# Altium PCB PCB1.PcbDoc (part 1 of 3) (continued)
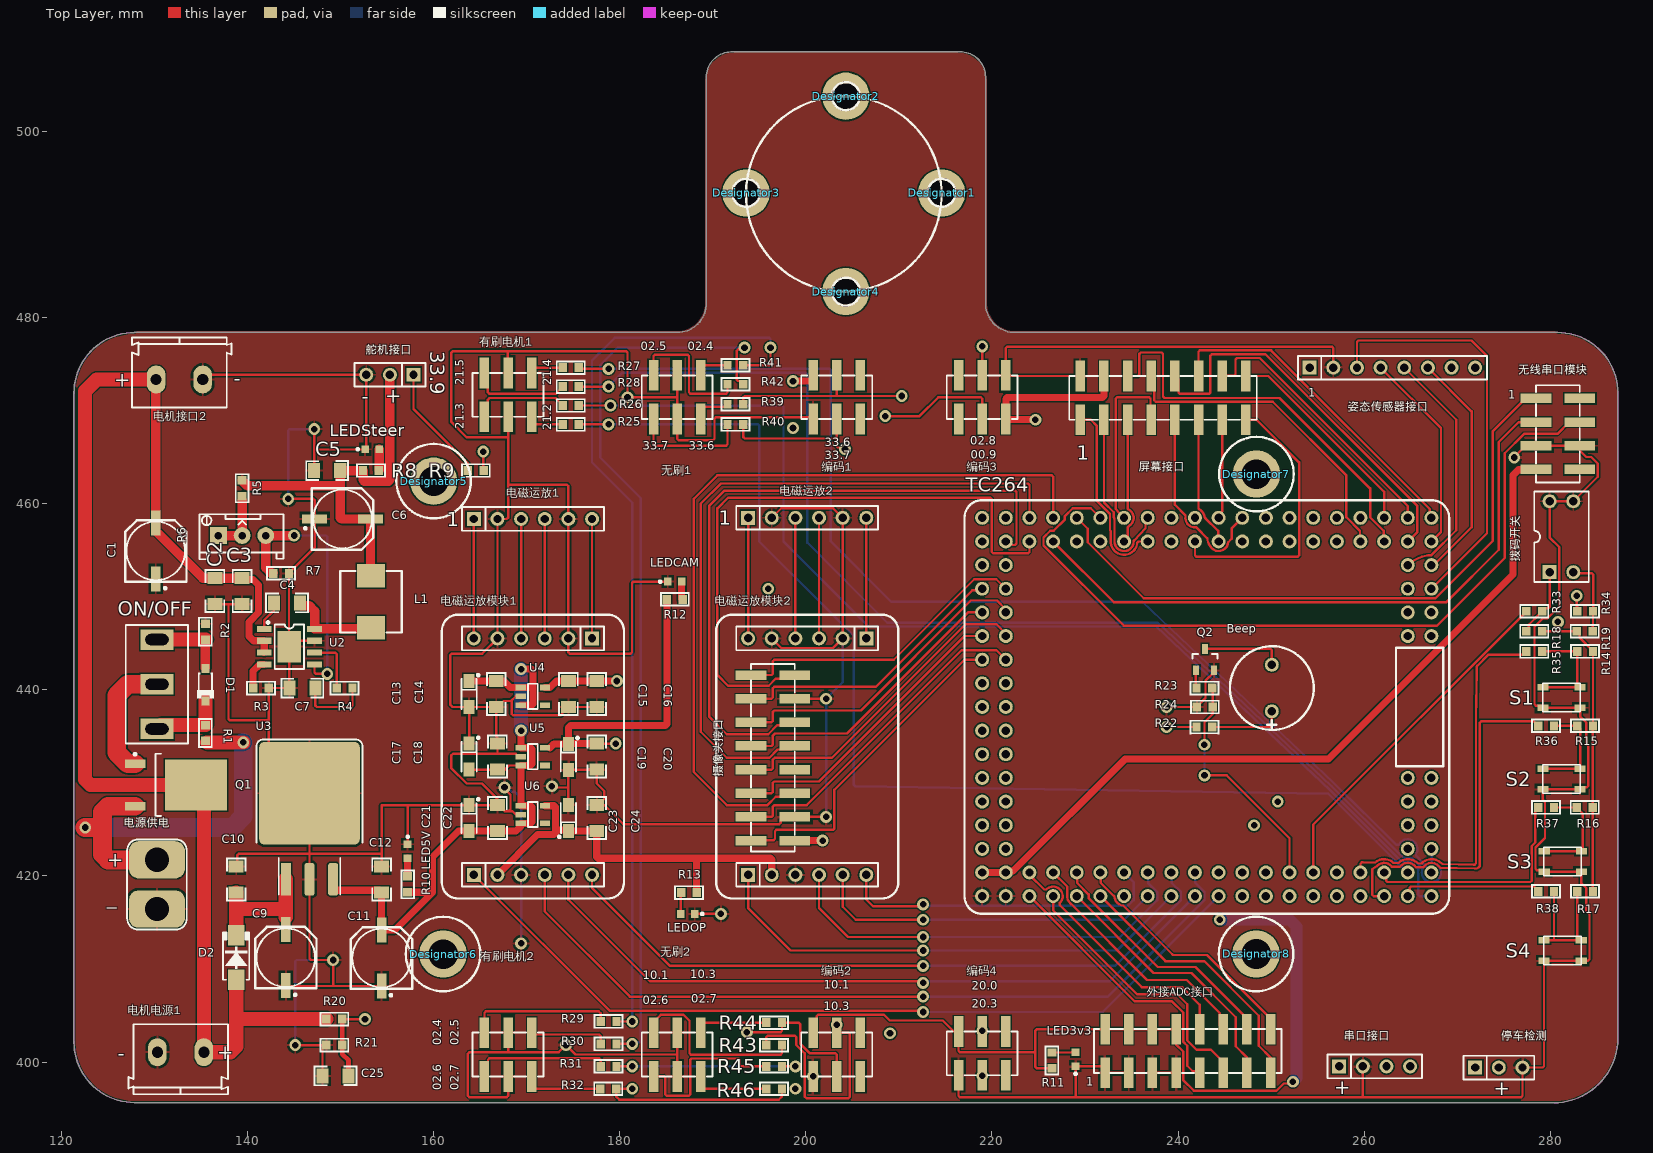
[diagram p0: Top Layer view]
## Components (designator, comment, footprint, x,y, rotation, side; value= is the part's Value field where it differs from the comment) (continued)
电源供电 "T型插头" "Wired T-Header ThroughHole" 130.302,419.083 r0 top
电磁运放1 "Header 6" HDR1X6 164.338,458.343 r0 top (schematic designator P13)
电磁运放2 "Header 6" HDR1X6 193.802,458.47 r0 top (schematic designator P14)
电磁运放模块1 "OPA_MOD" SEEKFREE_4CHANEL_OPAMOD 170.688,432.816 r0 top
电磁运放模块2 "OPA_MOD" SEEKFREE_4CHANEL_OPAMOD 200.152,432.816 r0 top
编码1 "Header 3X2" HDR2X3-M-SMT 203.327,471.424 r0 top (schematic designator P6)
编码2 "Header 3X2" HDR2X3-M-SMT 203.327,400.812 r0 top (schematic designator P7)
编码3 "Header 3X2" HDR2X3-M-SMT 218.948,471.424 r180 top (schematic designator P8)
编码4 "Header 3X2" HDR2X3-M-SMT 218.948,400.939 r0 top (schematic designator P9)
舵机接口 "Header 3" HDR1X3 157.861,473.837 r180 top (schematic designator P18)

## Footprints (in the part's own frame and the unit in brackets; to place one, negate y for a bottom-side part, rotate by r counter-clockwise, add the part's x,y. Pads: shape width x height; smd on the part's side, far side on the other; paste and mask are expansions set on the pad)
"0630 TPC 7*7*3" [mm] "12mmx12mmx6.5mm 一体成型功率电感"
  rect 2.5x3 smd: 1(-2.8,0) 2(2.8,0)
  silkscreen extent -3.3,-3.3 3.3,3.3, body extent -3.3,-3.3 3.3,3.3, height 3
"BEEP 9x5.5mm" [mm] "蜂鸣器 9x5.5mm"
  round 1.5 hole 0.9: 1(-2.5,0) 2(2.5,0)
  silkscreen extent -4.5,-4.5 4.5,4.5, body extent -4.8,-4.8 4.8,4.8, height 5.05
CAPC3216[1206]S [mm] "1206贴片电容 有丝印 2脚 3.20x1.60mm IPC中密度"
  rect 1.3x1.6 smd: 1(-1.4,0) 2(1.4,0)
  silkscreen extent -2.35,-1.11 2.35,1.11, body extent -1.6,-0.81 1.6,0.81, height 1.21
CAPS6.3 [mm] "Solid Electorlytic Capacitor, E-type Footprint, 6.3mm Diameter, 5.5mm Height"
  rect 2.7x1 smd: 1(-3,0) 2(3,0)
  silkscreen extent -3.3,-3.3 4.12,3.3, body extent -3.5,-3.3 3.5,3.3, height 5.2
CAPT3216 [mm] "Molded (Tantalum) Capacitor, 2-Leads, Body 3.20x1.60mm, IPC Medium Density"
  rect 1.5x1.2 smd: 1(-1.4,0) 2(1.4,0)
  silkscreen extent -2.15,-0.9 1.6,1.1, body extent -1.6,-0.8 1.6,0.8, height 1.6
"Code SW-2-DIP-2.54" [mm] "2位直插拨码开关 间距2.54"
  rect 1.5x1.5 hole 0.9: 1(-1.27,-3.81)
  round 1.5 hole 0.9: 2(1.27,-3.81) 3(1.27,3.81) 4(-1.27,3.81)
  silkscreen extent -2.93,-4.85 2.93,4.85, body extent -3.04,-4.95 3.04,4.95, height 7.03
Female-Header-2.54-SMD-8 [mm]
  rect 3.3x1.02 smd: 1(-2.35,3.81) 2(2.35,3.81) 3(-2.35,1.27) 4(2.35,1.27) 5(-2.35,-1.27) 6(2.35,-1.27) 7(-2.35,-3.81) 8(2.35,-3.81)
  silkscreen extent -2.35,-5.22 2.35,5.22, body extent -3.3,-5.33 3.3,5.33, height 5
HDR1X3 [mm] "Connector; Header; 3 Position"
  rect 1.5x1.5 hole 0.9: 1(0,0)
  round 1.5 hole 0.9: 2(2.54,0) 3(5.08,0)
  silkscreen extent -1.27,-1.27 6.35,1.27, body extent -1.27,-1.27 6.35,1.27, height 8.54
HDR1X4 [mm] "Connector; Header; 4 Position"
  rect 1.5x1.5 hole 0.9: 1(0,0)
  round 1.5 hole 0.9: 2(2.54,0) 3(5.08,0) 4(7.62,0)
  silkscreen extent -1.27,-1.27 8.89,1.27, body extent -1.27,-1.27 8.89,1.27, height 8.54
HDR1X6 [mm] "Connector; Header; 6 Position"
  rect 1.5x1.5 hole 0.9: 1(0,0)
  round 1.5 hole 0.9: 2(2.54,0) 3(5.08,0) 4(7.62,0) 5(10.16,0) 6(12.7,0)
  silkscreen extent -1.27,-1.27 13.97,1.27, body extent -1.27,-1.27 13.97,1.27, height 8.54
HDR1X8 [mm] "Connector; Header; 8 Position"
  rect 1.5x1.5 hole 0.9: 1(0,0)
  round 1.5 hole 0.9: 2(2.54,0) 3(5.08,0) 4(7.62,0) 5(10.16,0) 6(12.7,0) 7(15.24,0) 8(17.78,0)
  silkscreen extent -1.27,-1.27 19.05,1.27, body extent -1.27,-1.27 19.05,1.27, height 8.54
HDR2X3-M-SMT [mm] "2x3pin, 2.54mm间距, SMT, 直排针"
  rect 1.02x3.3 smd: 1(-2.54,-2.35) 2(-2.54,2.35) 3(0,-2.35) 4(0,2.35) 5(2.54,-2.35) 6(2.54,2.35)
  silkscreen extent -3.81,-2.35 3.81,2.35, body extent -3.81,-3.75 3.81,3.75, height 9.67
HDR2X8-M-SMT [mm] "2x8pin, 2.54mm间距, SMT, 直排针"
  rect 1.02x3.3 smd: 1(-8.89,-2.35) 2(-8.89,2.35) 3(-6.35,-2.35) 4(-6.35,2.35) 5(-3.81,-2.35) 6(-3.81,2.35) 7(-1.27,-2.35) 8(-1.27,2.35) 9(1.27,-2.35) 10(1.27,2.35) 11(3.81,-2.35) 12(3.81,2.35) 13(6.35,-2.35) 14(6.35,2.35) 15(8.89,-2.35) 16(8.89,2.35)
  silkscreen extent -10.08,-2.35 10.06,2.35, body extent -10.16,-3.75 10.16,3.75, height 9.67
"KF/WJ/DG 301-2p-5.0mm" [mm] "2P 5.08mm间距 接线端子"
  oval 2x3 hole 1.2: 1(2.5,0) 2(-2.5,0)
  silkscreen extent -5.6,-4.53 5.08,3, body extent -5.6,-4.6 5,3, height 3
LEDC1608(0603) [mm] "LED,Chip;1.60mm L X 0.80mm W X 0.80mm H"
  rect 0.8x0.85 smd: A(0.75,0) C(-0.75,0)
  silkscreen extent -1.67,-0.13 -1.43,0.12, body extent -0.8,-0.4 0.8,0.4, height 0.64
"M3 125X200" [mm] "M3螺丝孔，孔125Mil，焊盘200Mil"
  round 5.08 hole 3.175: 1(0,0)
M3x4_L [mm] "M3铜柱，长：4mm"
  round 5.08 hole 3.175: 1(0,0)
  silkscreen extent -4,-4 4,4, body extent -2.7,-2.35 2.7,2.35, height 4.05
PTS810-3*4-CurvePin [mm] "3*4 白色 汽车遥控器贴片按键 包脚"
  rect 1.2x0.7 smd: 1(-2,-1.1) 1(2,-1.1) 2(-2,1.1) 2(2,1.1)
  silkscreen extent -2.02,-1.52 2,1.52, body extent -2.3,-1.6 2.3,1.6, height 2.5
RESC1608[0603]S-N [mm] "0603贴片电阻 有丝印 2脚 1.60x0.80mm IPC中密度"
  rect 0.9x0.95 smd: 1(-0.85,0) 2(0.85,0)
  silkscreen extent -1.6,-0.77 1.6,0.78, body extent -0.8,-0.4 0.8,0.4, height 0.45
RESPOT3296 [mm] "Precise Multi-Winding Adjustable Resistor"
  rect 1.8x1.8 hole 0.8: 1(-2.54,0)
  round 1.8 hole 0.8: 2(2.54,0) ADJ(0,0)
  silkscreen extent -4.57,-2.54 4.44,2.29, body extent -4.6,-2.44 4.6,2.36, height 12.01
SEEKFREE_4CHANEL_OPAMOD [mm]
  rect 1.5x1.5 hole 0.9: 1(6.35,12.7) 7(-6.35,-12.7)
  round 1.5 hole 0.9: 2(3.81,12.7) 3(1.27,12.7) 4(-1.27,12.7) 5(-3.81,12.7) 6(-6.35,12.7) 8(-3.81,-12.7) 9(-1.27,-12.7) 10(1.27,-12.7) 11(3.81,-12.7) 12(6.35,-12.7)
  Top Overlay keep-out lines w0.254: -9.779,-13.524 ccw(c-8.063,-13.524) -8.063,-15.24 8.063,-15.24 ccw(c8.063,-13.524) 9.779,-13.524 9.779,13.524 ccw(c8.063,13.524) 8.063,15.24 -8.063,15.24 ccw(c-8.063,13.524) -9.779,13.524 -9.779,-13.524
  silkscreen extent -9.78,-15.24 9.78,15.24, body extent -7.75,-13.98 7.75,13.98, height 8.54
SMA[DO-214AC] [mm] "Molded Diode, 2-Leads, Body 5.00x2.49mm, IPC Medium Density"
  rect 2.2x1.75 smd: A(-2.4,0) K(2.4,0)
  silkscreen extent -2.38,-1.4 2.7,1.4, body extent -2.9,-1.46 2.91,1.46, height 2.3
SOD-123-L [mm] "SOD Diode;2.70mm W X 1.60mm L X 1.35mm H body"
  rect 1x0.85 smd: A(-1.75,0) K(1.75,0)
  silkscreen extent -1.32,-0.9 1.48,0.9, body extent -1.85,-0.8 1.85,0.8, height 1.2
SOP-8E [mm] "SOIC,1.27mm pitch;8 pin,3.90mm W X 4.88mm L X 1.73mm H body"
  rect 2.5x3.4 smd: 0(0,0)
  rect 1.6x0.65 smd: 1(-2.7,1.905) 2(-2.7,0.635) 3(-2.7,-0.635) 4(-2.7,-1.905) 5(2.7,-1.905) 6(2.7,-0.635) 7(2.7,0.635) 8(2.7,1.905)
  silkscreen extent -2.42,-2.4 1.58,2.72, body extent -3.11,-2.45 3.11,2.45, height 1.75
SOT-23 [mm] "SOT23, 3-Leads, Body 2.90x2.40mm, Pitch 0.95mm, IPC Medium Density"
  rect 1.05x0.65 smd: 1(-1.15,0.95) 2(-1.15,-0.95) 3(1.15,0)
  silkscreen extent 0.13,-1.35 0.58,1.35, body extent -1.4,-1.45 1.4,1.45, height 1.2
SOT-23-5 [mm] "SOT23, 5-Leads, Body 2.92x2.79mm, Pitch 0.95mm, IPC Medium Density"
  rect 1.1x0.6 smd: 1(-1.3,0.95) 2(-1.3,0) 3(-1.3,-0.95) 4(1.3,-0.95) 5(1.3,0.95)
  silkscreen extent -0.53,-1.35 0.53,1.35, body extent -1.42,-1.46 1.42,1.46, height 1.08
SS12D10 [mm] "拨动开关，直脚，脚距4.8"
  rect 2.2x3.5 hole 1.2 slot 2.5 at 90 deg mask+0.07: 1(-4.8,0) 2(0,0) 3(4.8,0)
  silkscreen extent -6.35,-3.35 6.35,3.35, body extent -6.4,-3.3 6.35,3.8, height 12.5
TC264_CoreBoard [mm] "逐飞科技TC264核心板"
  round 1.5 hole 0.9: 1(0,0) 2(2.54,0) 3(0,-2.54) 4(2.54,-2.54) 5(0,-5.08) 6(2.54,-5.08) 7(0,-7.62) 8(2.54,-7.62) 9(0,-10.16) 10(2.54,-10.16) 11(0,-12.7) 12(2.54,-12.7) 13(0,-15.24) 14(2.54,-15.24) 15(0,-17.78) 16(2.54,-17.78) 17(0,-20.32) 18(2.54,-20.32) 19(0,-22.86) 20(2.54,-22.86) 21(0,-25.4) 22(2.54,-25.4) 23(0,-27.94) 24(2.54,-27.94) 25(0,-30.48) 26(2.54,-30.48) 27(0,-33.02) 28(2.54,-33.02) 29(0,-35.56) 30(2.54,-35.56) 31(0,-38.1) 32(2.54,-38.1) 33(0,-40.64) 34(2.54,-40.64) 35(0,-43.18) 36(2.54,-43.18) 37(0,-45.72) 38(2.54,-45.72) 39(0,-48.26) 40(2.54,-48.26) 41(5.08,-48.26) 42(5.08,-45.72) 43(7.62,-48.26) 44(7.62,-45.72) 45(10.16,-48.26) 46(10.16,-45.72) 47(12.7,-48.26) 48(12.7,-45.72) 49(27.94,-45.72) 50(27.94,-48.26) 51(30.48,-45.72) 52(30.48,-48.26) 53(33.02,-45.72) 54(33.02,-48.26) 55(35.56,-45.72) 56(35.56,-48.26) 57(38.1,-48.26) 58(40.64,-48.26) 59(38.1,-45.72) 60(40.64,-45.72) 61(38.1,-43.18) 62(40.64,-43.18) 63(38.1,-40.64) 64(40.64,-40.64) 65(38.1,-38.1) 66(40.64,-38.1) 67(38.1,-35.56) 68(40.64,-35.56) 69(38.1,-33.02) 70(40.64,-33.02) 71(38.1,-30.48) 72(40.64,-30.48) 73(38.1,-27.94) 74(40.64,-27.94) 75(38.1,-25.4) 76(40.64,-25.4) 77(38.1,-22.86) 78(40.64,-22.86) 79(38.1,-20.32) 80(40.64,-20.32) 81(38.1,-17.78) 82(40.64,-17.78) 83(38.1,-15.24) 84(40.64,-15.24) 85(38.1,-12.7) 86(40.64,-12.7) 87(38.1,-10.16) 88(40.64,-10.16) 89(38.1,-7.62) 90(40.64,-7.62) 91(38.1,-5.08) 92(40.64,-5.08) 93(38.1,-2.54) 94(40.64,-2.54) 95(38.1,0) 96(40.64,0) 97(35.56,-2.54) 98(35.56,0) 99(33.02,-2.54) 100(33.02,0) 101(30.48,-2.54) 102(30.48,0) 103(27.94,-2.54) 104(27.94,0) 105(25.4,-2.54) 106(25.4,0) 107(22.86,-2.54) 108(22.86,0) 109(20.32,-2.54) 110(20.32,0) 111(17.78,-2.54) 112(17.78,0) 113(15.24,-2.54) 114(15.24,0) 115(12.7,-2.54) 116(12.7,0) 117(10.16,-2.54) 118(10.16,0) 119(7.62,-2.54) 120(7.62,0) 121(5.08,-2.54) 122(5.08,0)
  silkscreen extent -1.91,-50.17 42.55,1.91
TO-252AA [mm] "D-PAK, 4-Leads, Body 6.1x6.5mm, Pitch 2.28mm, Lead Span 9.8mm, IPC Low Density"
  rect 6.7x5.5 smd: 1(3.275,0)
  rect 2.2x0.95 smd: 2(-3.275,2.28) 3(-3.275,-2.28)
  silkscreen extent -3.4,-3.35 -0.48,3.43, body extent -3.77,-3.27 6.16,3.27, height 2.39
TO-263-3 [mm]
  rect 1.07x3.5 smd: 1(-2.54,-4.623)
  rrect50% 1.07x3.5 smd: 2(0,-4.623) 3(2.54,-4.623)
  rrect10% 10.8x11 smd: 2(0,4.623)
  silkscreen extent -5.7,-6.27 5.7,10.42, body extent -5.08,-5.39 5.08,8.84, height 4.87
"Wired T-Header ThroughHole" [mm] "带线T头直插焊盘"
  rrect50% 6x4 hole 2.6: 1(0,2.65) 2(0,-2.65)
  silkscreen extent -3.2,-4.85 3.2,4.85

## Part data
Beep: "蜂鸣器"
C1 C6 C11: library part Cap-Solid_1, "Polarized Capacitor (Radial)", Voltage=16V, Price(RMB)=0.000, Published=8-Jun-2000, Publisher="Altium Limited", Revision="July-2002: Re-released for DXP Platform."
C2 C7: library part Cap-Chip_1, "贴片电容", Tolerance=±10%, Voltage=50V, Published=2021-12-13, Revision=V1.2, Type=X7R
C3 C4 C10 C12 C14 C15 C16 C18 C20 C22 C24 C25: library part Cap-Chip, "贴片电容", Tolerance=±10%, Voltage=50V, Published=2021-12-13, Revision=V1.2, Type=X7R
C5: library part Cap-Chip_2, "贴片电容", Tolerance=±10%, Voltage=50V, Published=2021-12-13, Revision=V1.2, Type=X5R
C9: library part Cap-Solid, "Polarized Capacitor (Radial)", Voltage=25V, Price(RMB)=0.000, Published=8-Jun-2000, Publisher="Altium Limited", Revision="July-2002: Re-released for DXP Platform."
C13 C17 C19 C21 C23: library part Cap-Tan, "Tantalum Capacitor", Voltage=16V, Price(RMB)=0.000, Published=8-Jun-2000, Publisher="Altium Limited", Revision="July-2002: Re-released for DXP Platform."
D1: library part "Diode TVS Uni-Dir", "TRANSIENT VOLTAGE  SUPPRESSOR DIODE", Imax=500mA, Price(RMB)=0.000, Published=8-Jun-2000, Publisher="Altium Limited"
D2: library part Diode, "普通二极管 Diode", Imax=500mA, Price(RMB)=0.000, Published=8-Jun-2000, Publisher="Altium Limited", Revision="July-2002: Re-released for DXP Platform."
L1: library part Ind-Power, "功率电感", DCR=.5m, Imax=5A, Price(RMB)=0.000, Published=8-Jun-2000, Publisher="Altium Limited", Revision="July-2002: Re-released for DXP Platform."
LED3v3 LED5V LEDCAM LEDOP LEDSteer: library part "LED Chip Green", Price(RMB)=0.00, Published=8-Jun-2000, Publisher="Altium Limited", Revision="July-2002: Re-released for DXP Platform."
ON/OFF: "单刀双掷开关 3脚船型、钮子、拨动开关 SPDT Subminiature Toggle Switch", Price(RMB)=0.000, Published=24-Mar-1999, Publisher="Altium Limited"
Q1: "HY19P03 P-Channel MOSFET"
Q2: library part "NPN S8050", "Discrete NPN Bipolar Transistor", PartNumber=S8050, Price(RMB)=0.000, Published=8-Jun-2000, Publisher="Altium Limited", Revision="July-2002: Re-released for DXP Platform."
R1 R14 R15 R16 R17 R18 R19 R23: library part Res-Chip_4, "贴片电阻", Tolerance=±1%, Published=8-Jun-2000, Revision="July-2002: Re-released for DXP Platform."
R2: library part Res-Chip_3, "贴片电阻", Tolerance=±1%, Published=8-Jun-2000, Revision="July-2002: Re-released for DXP Platform."
R3: library part Res-Chip_5, "贴片电阻", Tolerance=±1%, Published=8-Jun-2000, Revision="July-2002: Re-released for DXP Platform."
R4: library part Res-Chip_6, "贴片电阻", Tolerance=±1%, Published=8-Jun-2000, Revision="July-2002: Re-released for DXP Platform."
R5: library part Res-Chip_7, "贴片电阻", Tolerance=±1%, Published=8-Jun-2000, Revision="July-2002: Re-released for DXP Platform."
R6: library part Res-Adj-3p, "可调电阻"
R7: library part Res-Chip_8, "贴片电阻", Tolerance=±1%, Published=8-Jun-2000, Revision="July-2002: Re-released for DXP Platform."
R8 R21 R24: library part Res-Chip, "贴片电阻", Tolerance=±1%, Published=8-Jun-2000, Revision="July-2002: Re-released for DXP Platform."
R9 R25 R26 R27 R28 R29 R30 R31 R32 R39 R40 R41 R42 R43 R44 R45 R46: library part Res-Chip_1, "贴片电阻", Tolerance=±1%, Published=8-Jun-2000, Revision="July-2002: Re-released for DXP Platform."
R10 R11 R12 R13: library part Res-Chip_2, "贴片电阻", Tolerance=±1%, Published=8-Jun-2000, Revision="July-2002: Re-released for DXP Platform."
R20: library part Res-Chip_9, "贴片电阻", Tolerance=±1%, Published=8-Jun-2000, Revision="July-2002: Re-released for DXP Platform."
R22: library part Res-Chip_10, "贴片电阻", Tolerance=±1%, Published=8-Jun-2000, Revision="July-2002: Re-released for DXP Platform."
R33 R34 R35 R36 R37 R38: library part Res-Chip_11, "贴片电阻", Tolerance=±1%, Published=8-Jun-2000, Revision="July-2002: Re-released for DXP Platform."
S1 S2 S3 S4: library part KEY, "按键", Price(RMB)=0.000, Published=24-Mar-1999, Publisher="Altium Limited"
TC264: "逐飞科技TC264核心板"
U2: "3.8V-36V Vin, 5A, High Efficiency Synchronous Step-down DCDC Converter / with Programmable Frequency"
U3: library part LM2940-5.0, "5V LDO TO-263-3"
U4 U5 U6: "3.3V 500mA SOT-23-5 LDO"
串口接口: "Header, 4-Pin", LatestRevisionDate=17-Jul-2002, LatestRevisionNote="Re-released for DXP Platform.", Price(RMB)=0.00, Publisher="Altium Limited"
停车检测 舵机接口: "Header, 3-Pin", LatestRevisionDate=17-Jul-2002, LatestRevisionNote="Re-released for DXP Platform.", Price(RMB)=0.00, Publisher="Altium Limited"
外接ADC接口 屏幕接口 摄像头接口: "Header, 8-Pin, Dual row", LatestRevisionDate=17-Jul-2002, LatestRevisionNote="Re-released for DXP Platform.", Price(RMB)=0.00, Publisher="Altium Limited"
姿态传感器接口: "Header, 8-Pin", LatestRevisionDate=17-Jul-2002, LatestRevisionNote="Re-released for DXP Platform.", Price(RMB)=0.00, Publisher="Altium Limited"
拨码开关: library part "Code SW-2", "2位拨码开关", Price(RMB)=0.000, Published=24-Mar-1999, Publisher="Altium Limited", Revision="July-2002: Re-released for DXP Platform."
无刷1 无刷2 有刷电机1 有刷电机2 编码1 编码2 编码3 编码4: "Header, 3-Pin, Dual row", LatestRevisionDate=17-Jul-2002, LatestRevisionNote="Re-released for DXP Platform.", Price(RMB)=0.00, Publisher="Altium Limited"
无线串口模块: "Header, 4-Pin, Dual row", LatestRevisionDate=17-Jul-2002, LatestRevisionNote="Re-released for DXP Platform.", Price(RMB)=0.00, Publisher="Altium Limited"
电机接口2 电机电源1: library part "KF/WJ/DG 30x", "接线端子 2Pin"
电源供电: library part T_Header
电磁运放1 电磁运放2: "Header, 6-Pin", LatestRevisionDate=17-Jul-2002, LatestRevisionNote="Re-released for DXP Platform.", Price(RMB)=0.00, Publisher="Altium Limited"
电磁运放模块1 电磁运放模块2: library part OPA_4CHANNEL_SEEKFREE, "OPA module"

## Via types
v1: diameter 1.27, hole 0.711, Top Layer to Bottom Layer, 68 vias

## Nets (pads, with @x,y where several pads share a name; then routed paths per layer and width w, separated by ;. In a path a pad name is that pad's centre, name@x,y a point inside that pad or via, vN(x,y) a via of type N, cw(c..) or ccw(c..) an arc to the next point about the centre after c; other vN are vias at no path point)
00.0: TC264.99 摄像头接口.1 | length 32.9
  Top Layer w0.254: 摄像头接口.1@194.119,441.579 196.32,441.579 196.469,441.728 196.469,443.081 196.618,443.23 209.441,443.23 218.09,451.879 220.459,451.879 TC264.99@221.488,450.85
00.1: TC264.100 摄像头接口.3 | length 30.3
  Top Layer w0.254: 摄像头接口.3@194.119,439.039 196.32,439.039 196.469,439.188 196.469,440.16 196.618,440.309 207.518,440.309 217.894,450.685 218.783,450.685 TC264.100@218.948,450.85
00.2: TC264.101 摄像头接口.5 | length 34.1
  Top Layer w0.254: 摄像头接口.5@194.119,436.499 196.32,436.499 196.469,436.648 196.469,437.62 196.618,437.769 205.919,437.769 217.73,449.58 220.555,449.58 221.488,448.647 TC264.101@221.488,448.31
00.3: TC264.102 摄像头接口.7 | length 31.3
  Top Layer w0.254: 摄像头接口.7@194.119,433.959 196.32,433.959 196.469,434.108 196.469,435.08 196.692,435.303 204.417,435.303 217.424,448.31 TC264.102@218.948,448.31
00.4: TC264.103 摄像头接口.9 | length 35.1
  Top Layer w0.254: 摄像头接口.9@194.119,431.419 196.32,431.419 196.469,431.568 196.469,432.495 196.663,432.689 202.819,432.689 217.17,447.04 220.472,447.04 221.488,446.024 TC264.103@221.488,445.77
00.5: TC264.104 摄像头接口.11 | length 32.4
  Top Layer w0.254: 摄像头接口.11@194.119,428.879 196.32,428.879 196.469,429.028 196.469,430 196.618,430.149 201.422,430.149 217.043,445.77 TC264.104@218.948,445.77
00.6: TC264.105 摄像头接口.13 | length 35.8
  Top Layer w0.254: 摄像头接口.13@194.119,426.339 196.32,426.339 196.469,426.488 196.469,427.46 196.618,427.609 200.104,427.609 216.755,444.259 220.459,444.259 TC264.105@221.488,443.23
00.7: TC264.106 摄像头接口.15 | length 35.8
  Top Layer w0.254: 摄像头接口.15@194.119,423.799 194.159,423.839 196.54,423.839 196.689,423.988 196.689,424.793 196.837,424.942 202.924,424.942 203.073,425.091 203.073,429.26 217.043,443.23 TC264.106@218.948,443.23
00.9: TC264.108 编码3.4 | length 56.3
  Top Layer w0.254: v1(208.534,469.392) 212.217,469.392 214.249,471.424 218.799,471.424 218.948,471.275 编码3.4@218.948,469.074
  Layer 1 w0.254: v1(208.534,469.392) 202.841,469.392 202.692,469.243 202.692,456.46 202.841,456.311 205.359,456.311 217.971,443.699 217.971,443.594 217.971,443.555 ccw(c218.948,443.23) 218.899,442.202 218.901,441.985 cw(c218.647,441.982) 218.901,441.982 218.901,440.737 TC264.108@218.948,440.69
02.0: TC264.90 摄像头接口.12 | length 86.3
  Top Layer w0.254: 摄像头接口.12@198.819,428.879 198.436,428.496 196.781,428.496 195.894,427.609 191.516,427.609 187.96,431.165 187.96,460.502 190.5,463.042 226.419,463.042 226.568,462.893 TC264.90@226.568,458.47
02.1: TC264.91 摄像头接口.2 | length 68.2
  Top Layer w0.254: 摄像头接口.2@198.819,441.579 198.436,441.196 196.781,441.196 196.021,440.436 191.643,440.436 190.5,441.579 190.5,459.486 191.643,460.629 219.829,460.629 219.977,460.48 219.977,454.808 220.126,454.659 223.879,454.659 224.028,454.808 TC264.91@224.028,455.93
02.2: TC264.92 摄像头接口.8 | length 76.1
  Top Layer w0.254: 摄像头接口.8@198.819,433.959 198.436,433.576 196.975,433.576 196.088,432.689 191.516,432.689 188.722,435.483 188.722,459.994 190.881,462.153 223.879,462.153 224.028,462.004 TC264.92@224.028,458.47
02.3: TC264.93 摄像头接口.6 | length 73.8
  Top Layer w0.254: 摄像头接口.6@198.819,436.499 198.525,436.205 196.937,436.205 195.961,435.229 191.516,435.229 189.611,437.134 189.611,459.74 191.262,461.391 222.482,461.391 222.631,461.242 222.631,455.698 222.482,455.549 222.206,455.549 221.825,455.93 TC264.93@221.488,455.93
02.4: R29.1 R41.1 TC264.94 | length 136.5
  Top Layer w0.254: R29.1@179.666,404.368 v1(181.356,404.368) ; R41.1@193.294,474.853 196.066,474.853 196.215,475.002 v1(196.215,476.758)
  Layer 2 w0.254: v1(196.215,476.758) 208.915,476.758 221.488,464.185 TC264.94@221.488,458.47
  Bottom Layer w0.254: v1(181.356,404.368) 181.356,460.121 177.038,464.439 177.038,475.361 179.476,477.799 196.063,477.799 196.215,477.647 v1(196.215,476.758)
02.5: R30.2 R42.2 TC264.95 | length 139
  Top Layer w0.254: R30.2@179.666,401.955 v1(181.356,401.955) ; R42.2@193.294,472.821 193.294,472.846 192.971,473.169 192.713,473.169 192.565,473.318 192.565,476.388 192.74,476.564 193.227,476.564 v1(193.421,476.758)
  Layer 2 w0.254: v1(193.421,476.758) 196.113,474.066 200.812,474.066 208.397,466.481 217.541,466.481 220.218,463.804 220.218,457.2 TC264.95@218.948,455.93
  Bottom Layer w0.254: v1(181.356,401.955) 181.519,402.118 182.122,402.118 182.27,402.267 182.27,460.604 177.902,464.972 177.902,474.851 179.809,476.758 v1(193.421,476.758)
02.6: R31.1 R45.1 TC264.96 | length 87.9
  Top Layer w0.254: R31.1@179.666,399.542 v1(181.356,399.542) ; R45.1@197.446,399.542 v1(198.882,399.542)
  Layer 2 w0.254: v1(198.882,399.542) 198.882,402.59 207.518,411.226 207.518,419.95 ccw(c206.502,420.116) 207.518,420.282 207.518,444.637 207.531,444.65 207.531,446.382 207.518,446.395 207.518,447.04 TC264.96@218.948,458.47
  Bottom Layer w0.254: v1(181.356,399.542) v1(198.882,399.542)
02.7: R32.2 R46.2 TC264.97 | length 88.5
  Top Layer w0.254: v1(181.356,397.129) R32.2@179.627,397.129 179.627,396.311 179.977,395.961 197.096,395.961 197.446,396.311 R46.2@197.446,397.129
  Layer 2 w0.254: v1(198.882,397.129) 198.969,397.216 199.724,397.216 199.873,397.365 199.873,401.851 208.534,410.513 208.534,441.892 219.004,452.362 ccw(c218.948,453.39) 219.976,453.334 219.985,453.343 221.441,453.343 TC264.97@221.488,453.39
02.8: TC264.98 编码3.3 | length 33.1
  Top Layer w0.254: 编码3.3@218.948,473.774 v1(218.948,476.885)
  Layer 2 w0.254: TC264.98@218.948,453.39 218.948,453.644 220.086,454.782 222.477,454.782 222.626,454.931 222.626,476.736 222.477,476.885 v1(218.948,476.885)
10.1: R43.1 TC264.85 编码2.4 | length 94.4
  Top Layer w0.254: R43.1@195.746,401.828 195.746,402.67 195.895,402.819 198.835,402.819 198.984,402.67 198.984,401.836 199.873,400.947 199.873,396.313 200.072,396.113 204.575,396.113 204.724,396.262 204.724,403.013 204.575,403.162 编码2.4@203.327,403.162 v1(203.327,404.012)
  Layer 2 w0.254: v1(203.327,404.012) 203.521,404.207 204.182,404.207 209.55,409.575 209.55,433.544 218.186,442.18 cw(c218.35,441.986) 218.434,442.226 ccw(c218.832,443.368) 219.61,442.442 ccw(c218.948,443.23) 219.976,443.174 221.544,444.742 ccw(c221.488,445.77) 222.509,445.638 222.566,445.696 222.641,445.77 227.838,450.967 227.838,457.051 227.987,457.2 231.499,457.2 231.648,457.051 TC264.85@231.648,455.93
10.2: TC264.86 无线串口模块.4 | length 85.7
  Top Layer w0.254: TC264.86@231.648,458.47 230.619,459.499 228.682,459.499 227.838,458.656 227.838,458.284 226.627,457.073 226.255,457.073 225.539,456.356 225.539,455.504 234.168,446.874 267.803,446.874 275.082,454.153 275.082,465.407 277.162,467.487 280.737,467.487 282.007,468.757 无线串口模块.4@283.147,468.757
10.3: R44.2 TC264.87 编码2.3 | length 93.9
  Top Layer w0.254: v1(193.675,403.225) 197.297,403.225 197.446,403.374 R44.2@197.446,404.241 199.241,404.241 199.39,404.092 199.39,402.004 200.455,400.939 203.178,400.939 203.327,400.79 编码2.3@203.327,398.462
  Layer 1 w0.254: v1(193.675,403.225) 193.802,403.098 v1(209.042,403.098)
  Layer 2 w0.254: v1(209.042,403.098) 209.042,407.035 210.439,408.432 210.439,431.292 218.567,439.42 221.674,439.42 229.108,446.854 TC264.87@229.108,455.93
10.5: TC264.88 无线串口模块.1 | length 69.6
  Top Layer w0.254: TC264.88@229.108,458.47 230.284,457.294 230.284,455.838 236.302,449.821 267.634,449.821 273.812,455.998 273.812,467.802 277.307,471.297 无线串口模块.1@278.447,471.297
10.6: TC264.89 无线串口模块.3 | length 69.4
  Top Layer w0.254: TC264.89@226.568,455.93 233.084,449.414 268.82,449.414 274.447,455.041 274.447,466.613 276.565,468.73 278.421,468.73 无线串口模块.3@278.447,468.757
11.9: TC264.81 屏幕接口.1 | length 52.4
  Top Layer w0.254: 屏幕接口.1@229.489,469.011 230.61,469.011 231.24,468.382 231.24,460.334 232.677,458.896 232.677,457.137 232.761,457.053 232.761,456.091 ; TC264.81@236.728,455.93 235.753,455.93 235.679,455.856 235.617,455.794 ; 232.761,455.768 ccw(c234.188,455.93) 235.617,455.794 ; 232.761,455.768 ccw(c234.188,455.93) 235.617,455.794 ; 232.761,455.768 ccw(c234.188,455.93) 235.617,455.794 ; 232.761,455.768 ccw(c234.188,455.93) 235.617,455.794 ; 232.761,455.768 ccw(c234.188,455.93) 235.617,455.794 ; 232.761,455.768 ccw(c234.188,455.93) 235.617,455.794 ; 232.761,455.768 ccw(c234.188,455.93) 235.617,455.794 ; 232.761,455.768 ccw(c234.188,455.93) 235.617,455.794 ; 232.761,455.768 cw(c234.188,455.93) 232.761,456.091 ; 232.761,455.768 cw(c234.188,455.93) 232.761,456.091 ; 232.761,455.768 cw(c234.188,455.93) 232.761,456.091 ; 232.761,455.768 cw(c234.188,455.93) 232.761,456.091 ; 232.761,455.768 cw(c234.188,455.93) 232.761,456.091 ; 232.761,455.768 cw(c234.188,455.93) 232.761,456.091 ; 232.761,455.768 cw(c234.188,455.93) 232.761,456.091 ; 232.761,455.768 cw(c234.188,455.93) 232.761,456.091
11.10: TC264.82 屏幕接口.3 | length 44.4
  Top Layer w0.254: 屏幕接口.3@232.029,469.011 232.029,460.12 233.084,459.065 233.084,458.595 ; 233.084,458.595 ccw(c233.338,458.595) 233.102,458.5 ; TC264.82@236.728,458.47 236.493,458.235 236.493,457.339 235.284,456.04 235.217,455.968 ; 233.084,458.595 ccw(c233.338,458.595) 233.102,458.5 ; 233.084,458.595 ccw(c233.338,458.595) 233.102,458.5 ; 233.102,458.5 233.141,458.404 ; 233.141,458.404 cw(c232.905,458.309) 233.159,458.311 ; 233.141,458.404 cw(c232.905,458.309) 233.159,458.311 ; 233.141,458.404 cw(c232.905,458.309) 233.159,458.311 ; 233.141,458.404 cw(c232.905,458.309) 233.159,458.311 ; 233.141,458.404 cw(c232.905,458.309) 233.159,458.311 ; 233.141,458.404 cw(c232.905,458.309) 233.159,458.311 ; 233.159,458.311 233.168,457.254 233.168,456.066 ; 233.168,456.066 ccw(c234.188,455.93) 235.217,455.968 ; 233.168,456.066 ccw(c234.188,455.93) 235.217,455.968 ; 233.168,456.066 ccw(c234.188,455.93) 235.217,455.968 ; 233.168,456.066 ccw(c234.188,455.93) 235.217,455.968 ; 233.168,456.066 ccw(c234.188,455.93) 235.217,455.968 ; 233.168,456.066 ccw(c234.188,455.93) 235.217,455.968 ; 233.168,456.066 ccw(c234.188,455.93) 235.217,455.968 ; 233.168,456.066 ccw(c234.188,455.93) 235.217,455.968
11.11: TC264.83 屏幕接口.5 | length 47.2
  Top Layer w0.254: TC264.83@234.188,455.93 234.569,456.311 234.569,457.46 234.643,457.534 234.669,457.56 ; 屏幕接口.5@234.569,469.011 234.569,459.48 234.643,459.406 234.669,459.38 ; 234.669,457.56 ccw(c234.188,458.47) 234.669,459.38 ; 234.669,457.56 ccw(c234.188,458.47) 234.669,459.38 ; 234.669,457.56 ccw(c234.188,458.47) 234.669,459.38 ; 234.669,457.56 ccw(c234.188,458.47) 234.669,459.38 ; 234.669,457.56 ccw(c234.188,458.47) 234.669,459.38 ; 234.669,457.56 ccw(c234.188,458.47) 234.669,459.38 ; 234.669,457.56 ccw(c234.188,458.47) 234.669,459.38 ; 234.669,457.56 ccw(c234.188,458.47) 234.669,459.38 ; 234.669,457.56 ccw(c234.188,458.47) 234.669,459.38 ; 234.669,457.56 ccw(c234.188,458.47) 234.669,459.38 ; 234.669,457.56 ccw(c234.188,458.47) 234.669,459.38 ; 234.669,457.56 ccw(c234.188,458.47) 234.669,459.38 ; 234.669,457.56 ccw(c234.188,458.47) 234.669,459.38 ; 234.669,457.56 ccw(c234.188,458.47) 234.669,459.38 ; 234.669,457.56 ccw(c234.188,458.47) 234.669,459.38 ; 234.669,457.56 ccw(c234.188,458.47) 234.669,459.38
11.12: TC264.84 屏幕接口.7 | length 19.3
  Top Layer w0.254: TC264.84@234.188,458.47 233.49,459.168 233.49,459.233 233.299,459.424 233.299,471.275 233.448,471.424 236.887,471.424 237.035,471.275 237.035,470.408 237.109,470.334 屏幕接口.7@237.109,469.011